# Altium PCB carboard.PcbDoc (part 3 of 4)
Units mil, origin at the board's own origin, x right, y up, seen from the top; angles counter-clockwise.
Board outline 5606.45 x 4133.26 mil, 2 copper layers (Top Layer, Bottom Layer); 227 components, 0 nets, 640 pads, 77 vias.
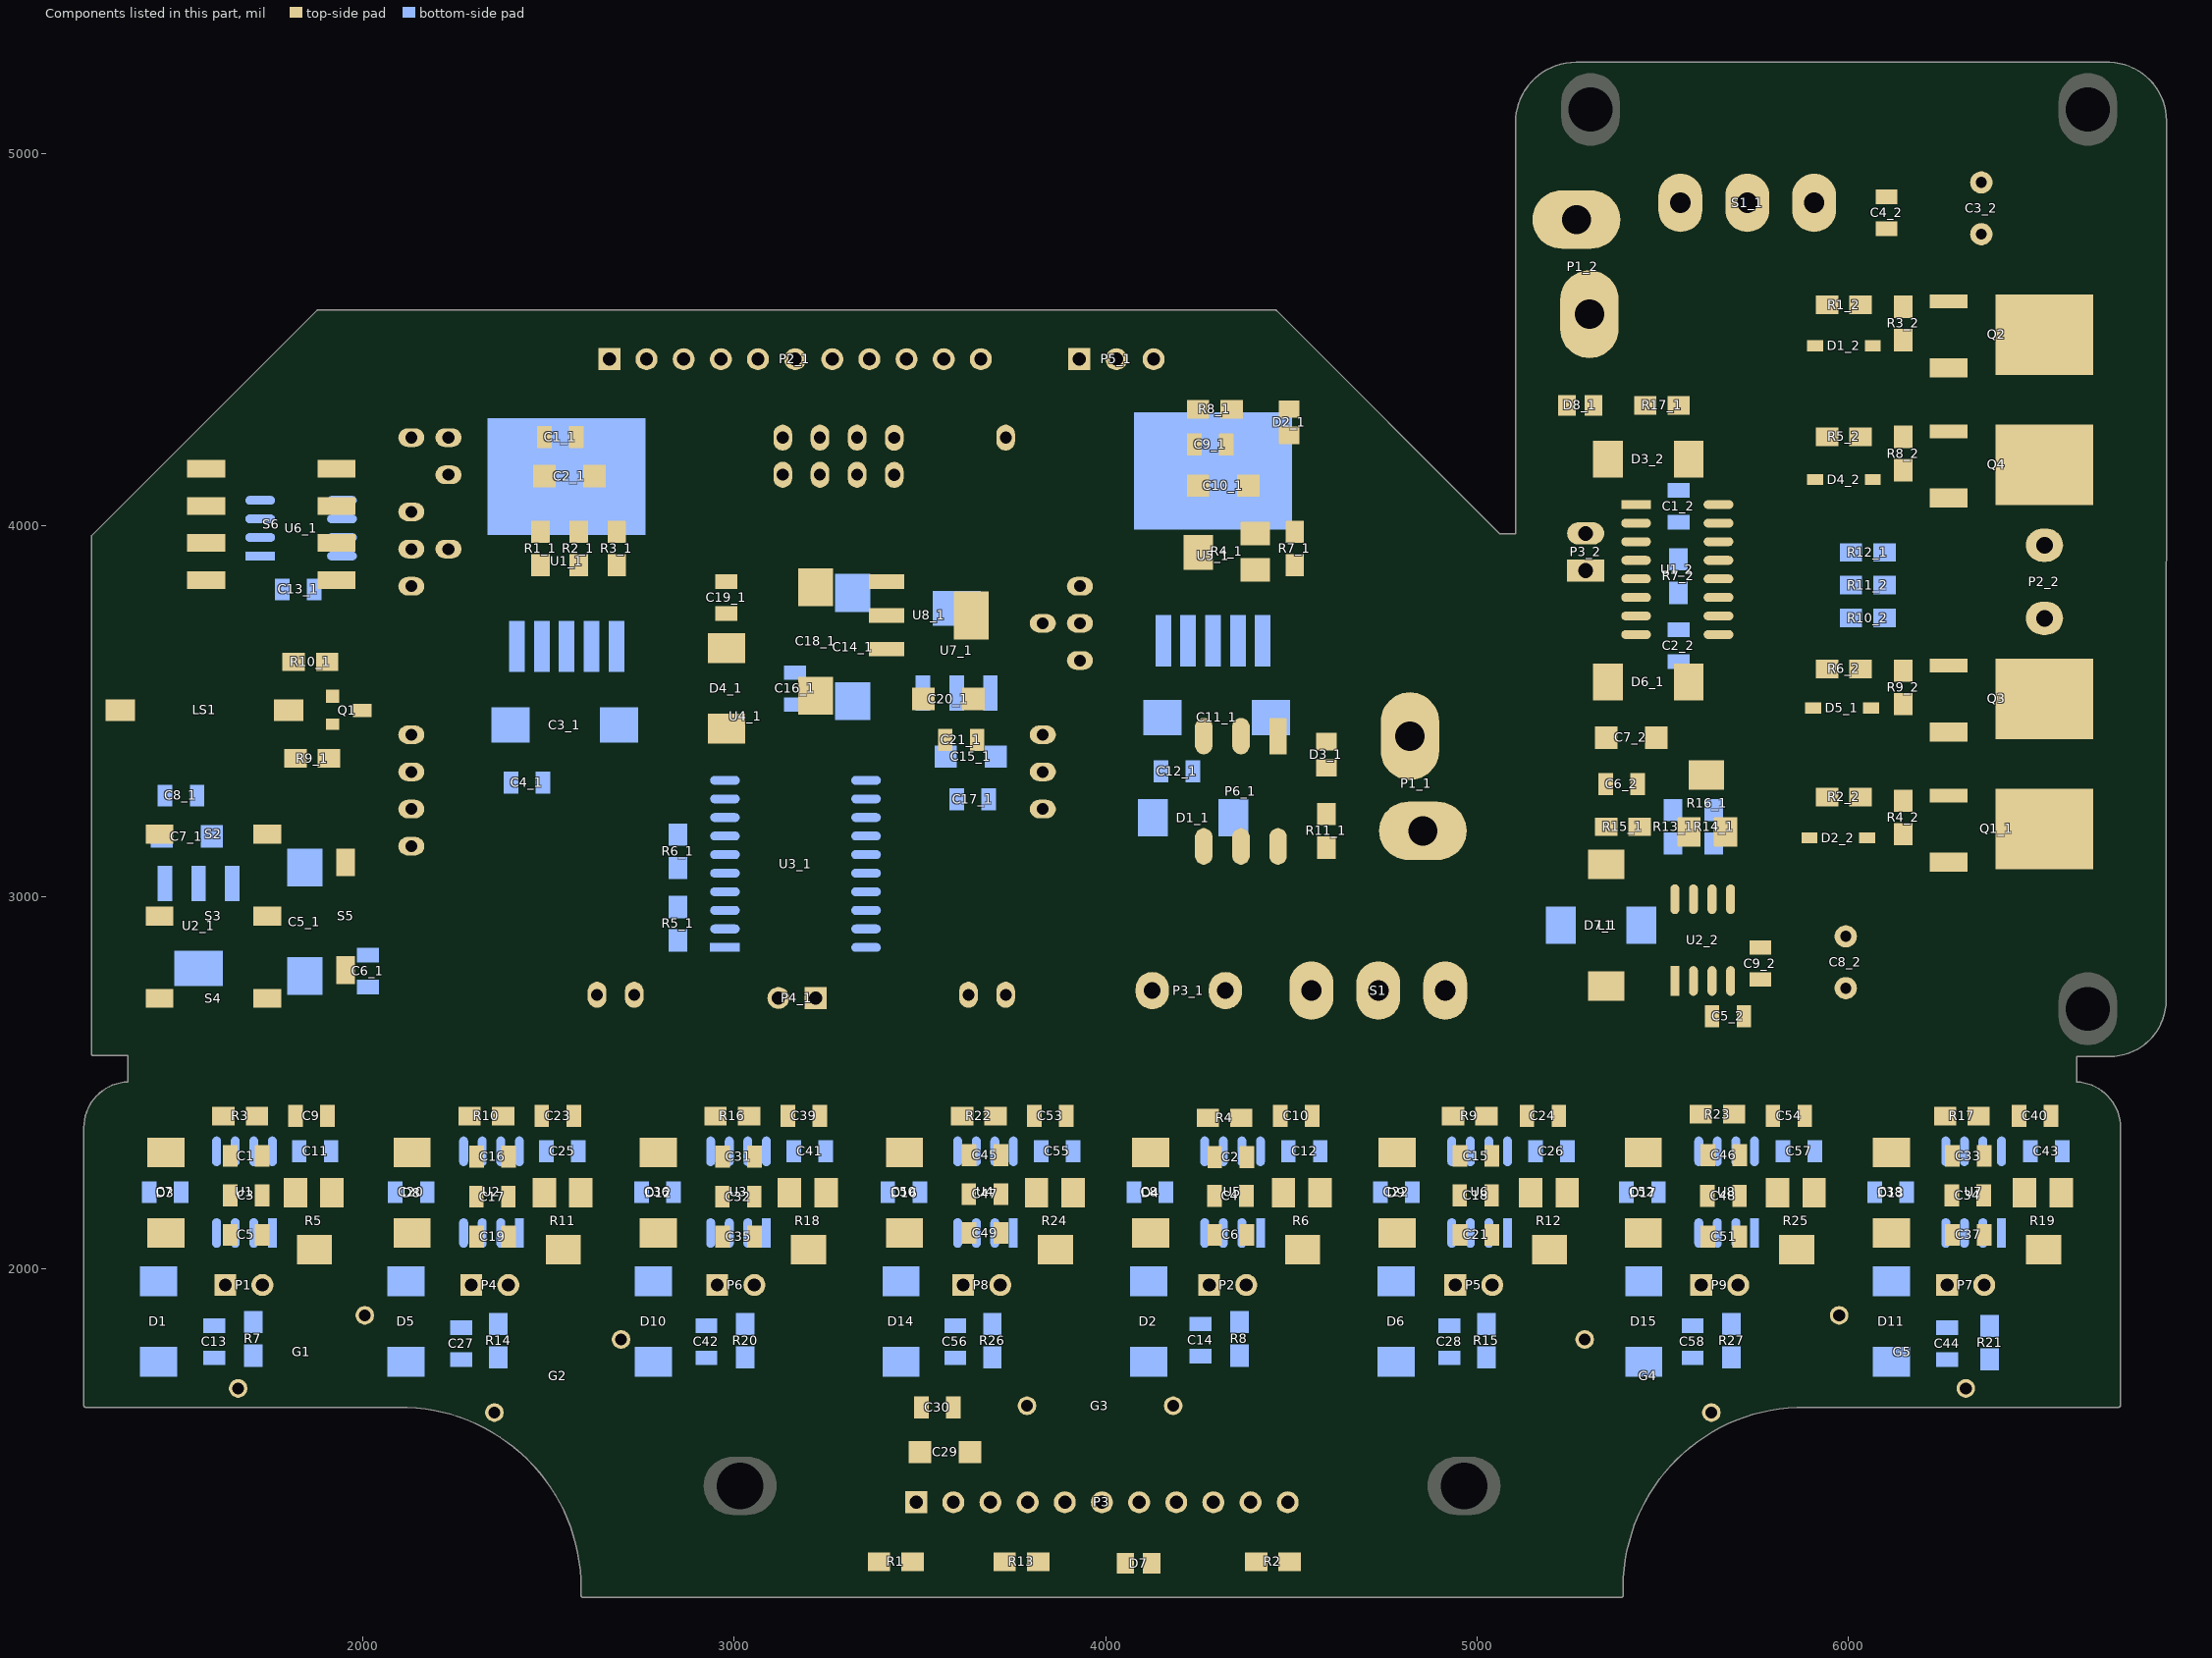
[diagram p3: the components of this part, seen from the top]

## Via types
v1: diameter 30, hole 20, Top Layer to Bottom Layer, 49 vias
v2: diameter 25, hole 18, Top Layer to Bottom Layer, 9 vias
v3: diameter 40, hole 30, Top Layer to Bottom Layer, 6 vias
v4: diameter 20, hole 15, Top Layer to Bottom Layer, 4 vias
v5: diameter 35, hole 20, Top Layer to Bottom Layer, 4 vias
v6: diameter 78.74, hole 39.37, Top Layer to Bottom Layer, 4 vias
v7: diameter 60, hole 30, Top Layer to Bottom Layer, 1 vias

## Nets (pads, with @x,y where several pads share a name; then routed paths per layer and width w, separated by ;. In a path a pad name is that pad's centre, name@x,y a point inside that pad or via, vN(x,y) a via of type N, cw(c..) or ccw(c..) an arc to the next point about the centre after c; other vN are vias at no path point) (continued)
copper on no net: (continued)
  Top Layer w1: 5292,1282 5325,1282 ; 5292,1283 5325,1283 ; 5292,1284 5325,1284 ; 5292,1285 5325,1285 ; 5292,1286 5325,1286 ; 5292,1287 5325,1287 ; 5292,1288 5326,1288 ; 5292,1289 5326,1289 ; 5292,1290 5326,1290 ; 5292,1291 5326,1291 ; 5292,1292 5326,1292 ; 5292,1293 5326,1293 ; 5292,1294 5326,1294 ; 5292,1295 5299,1295 ; 5292,1296 5299,1296 ; 5292,1297 5298,1297 ; 5292,1298 5297,1298 ; 5292,1299 5297,1299 ; 5292,1300 5296,1300 ; 5292,1301 5295,1301 ; 5292,1302 5294,1302 ; 5292,1303 5294,1303 ; 5292,1304 5293,1304 ; 5292,1305 5293,1305 ; 5292,1307 5293,1307 ; 5293,1225 5296,1225 ; 5293,1252 5309,1252 ; 5293,1253 5310,1253 ; 5293,1254 5311,1254 ; 5293,1255 5312,1255 ; 5293,1256 5312,1256 ; 5293,1257 5314,1257 ; 5293,1258 5314,1258 ; 5293,1259 5315,1259 ; 5293,1260 5316,1260 ; 5293,1261 5316,1261 ; 5293,1262 5317,1262 ; 5293,1263 5318,1263 ; 5293,1264 5318,1264 ; 5293,1265 5320,1265 ; 5293,1266 5319,1266 ; 5293,1267 5320,1267 ; 5293,1268 5320,1268 ; 5294,1213 5305,1213 ; 5294,1224 5296,1224 ; 5294,1226 5295,1226 ; 5294,1374 5305,1374 ; 5296,1214 5307,1214 ; 5296,1373 5307,1373 ; 5299,1215 5309,1215 ; 5299,1317 5321,1317 ; 5299,1318 5321,1318 ; 5299,1319 5320,1319 ; 5299,1320 5320,1320 ; 5299,1321 5319,1321 ; 5299,1322 5319,1322 ; 5299,1323 5318,1323 ; 5299,1324 5318,1324 ; 5299,1325 5317,1325 ; 5299,1326 5316,1326 ; 5299,1327 5316,1327 ; 5299,1328 5315,1328 ; 5299,1329 5314,1329 ; 5299,1330 5313,1330 ; 5299,1331 5312,1331 ; 5299,1332 5312,1332 ; 5299,1333 5311,1333 ; 5299,1334 5310,1334 ; 5299,1372 5309,1372 ; 5300,1295 5326,1295 ; 5300,1296 5326,1296 ; 5300,1297 5326,1297 ; 5300,1298 5326,1298 ; 5300,1299 5326,1299 ; 5300,1300 5327,1300 ; 5300,1301 5325,1301 ; 5300,1302 5325,1302 ; 5300,1303 5325,1303 ; 5300,1304 5325,1304 ; 5300,1305 5325,1305 ; 5300,1306 5325,1306 ; 5300,1307 5325,1307 ; 5300,1308 5324,1308 ; 5300,1309 5324,1309 ; 5300,1310 5323,1310 ; 5300,1311 5324,1311 ; 5300,1312 5323,1312 ; 5300,1313 5323,1313 ; 5300,1314 5323,1314 ; 5300,1315 5322,1315 ; 5300,1316 5322,1316 ; 5301,1216 5310,1216 ; 5301,1230 5303,1230 ; 5301,1231 5302,1231 ; 5301,1232 5302,1232 ; 5301,1371 5310,1371 ; 5302,1229 5303,1229 ; 5303,1228 5306,1228 ; 5304,1217 5313,1217 ; 5304,1233 5306,1233 ; 5304,1234 5305,1234 ; 5304,1370 5312,1370 ; 5305,1218 5314,1218 ; 5305,1231 5307,1231 ; 5305,1232 5307,1232 ; 5305,1369 5314,1369 ; 5306,1229 5307,1229 ; 5306,1230 5307,1230 ; 5307,1236 5311,1236 ; 5308,1219 5316,1219 ; 5308,1235 5309,1235 ; 5308,1250 5309,1250 ; 5308,1368 5316,1368 ; 5309,1220 5317,1220 ; 5309,1233 5311,1233 ; 5309,1234 5310,1234 ; 5309,1367 5317,1367 ; 5310,1221 5318,1221 ; 5310,1232 5311,1232 ; 5310,1235 5312,1235 ; 5310,1366 5318,1366 ; 5311,1238 5312,1238 ; 5311,1239 5312,1239 ; 5311,1346 5314,1346 ; 5311,1347 5319,1347 ; 5312,1222 5320,1222 ; 5312,1236 5314,1236 ; 5312,1237 5313,1237 ; 5312,1349 5314,1349 ; 5312,1350 5313,1350 ; 5312,1365 5320,1365 ; 5313,1234 5314,1234 ; 5313,1235 5315,1235 ; 5313,1256 5314,1256 ; 5314,1223 5321,1223 ; 5314,1241 5316,1241 ; 5314,1242 5315,1242 ; 5314,1342 5315,1342 ; 5314,1343 5315,1343 ; 5314,1344 5315,1344 ; 5314,1348 5317,1348 ; 5314,1364 5321,1364 ; 5315,1224 5323,1224 ; 5315,1240 5316,1240 ; 5316,1239 5317,1239 ; 5316,1349 5317,1349 ; 5316,1362 5323,1362 ; 5316,1363 5322,1363 ; 5317,1225 5323,1225 ; 5317,1238 5319,1238 ; 5317,1244 5319,1244 ; 5317,1346 5319,1346 ; 5317,1350 5319,1350 ; 5318,1243 5321,1243 ; 5318,1351 5319,1351 ; 5318,1361 5325,1361 ; 5319,1226 5325,1226 ; 5319,1227 5325,1227 ; 5319,1247 5321,1247 ; 5319,1360 5326,1360 ; 5320,1242 5323,1242 ; 5320,1246 5321,1246 ; 5321,1228 5328,1228 ; 5321,1244 5322,1244 ; 5321,1245 5322,1245 ; 5321,1359 5327,1359 ; 5322,1229 5328,1229 ; 5322,1243 5323,1243 ; 5322,1250 5323,1250 ; 5322,1358 5328,1358 ; 5323,1230 5329,1230 ; 5323,1249 5325,1249 ; 5323,1251 5324,1251 ; 5323,1357 5330,1357 ; 5324,1231 5330,1231 ; 5324,1248 5326,1248 ; 5324,1252 5325,1252 ; 5324,1356 5330,1356 ; 5325,1232 5331,1232 ; 5325,1247 5327,1247 ; 5325,1250 5326,1250 ; 5325,1355 5331,1355 ; 5326,1233 5332,1233 ; 5326,1246 5327,1246 ; 5326,1255 5328,1255 ; 5326,1256 5327,1256 ; 5326,1321 5327,1321 ; 5326,1354 5332,1354 ; 5327,1234 5333,1234 ; 5327,1248 5328,1248 ; 5327,1254 5330,1254 ; 5327,1257 5328,1257 ; 5327,1320 5332,1320 ; 5327,1353 5333,1353 ; 5328,1235 5334,1235 ; 5328,1249 5329,1249 ; 5328,1258 5330,1258 ; 5328,1319 5329,1319 ; 5328,1322 5331,1322 ; 5328,1323 5329,1323 ; 5328,1327 5331,1327 ; 5328,1352 5334,1352 ; 5329,1236 5335,1236 ; 5329,1253 5332,1253 ; 5329,1255 5330,1255 ; 5329,1256 5333,1256 ; 5329,1257 5330,1257 ; 5329,1321 5332,1321 ; 5329,1328 5331,1328 ; 5329,1351 5334,1351 ; 5330,1237 5336,1237 ; 5330,1252 5331,1252 ; 5330,1261 5333,1261 ; 5330,1262 5331,1262 ; 5330,1263 5331,1263 ; 5330,1324 5333,1324 ; 5330,1350 5336,1350 ; 5331,1238 5336,1238 ; 5331,1264 5333,1264 ; 5331,1349 5336,1349 ; 5332,1239 5337,1239 ; 5332,1240 5338,1240 ; 5332,1255 5333,1255 ; 5332,1262 5334,1262 ; 5332,1268 5335,1268 ; 5332,1319 5333,1319 ; 5332,1322 5337,1322 ; 5332,1323 5337,1323 ; 5332,1326 5341,1326 ; 5332,1327 5333,1327 ; 5332,1328 5334,1328 ; 5332,1347 5338,1347 ; 5332,1348 5337,1348 ; 5333,1263 5336,1263 ; 5333,1325 5339,1325 ; 5333,1346 5339,1346 ; 5334,1241 5339,1241 ; 5334,1242 5339,1242 ; 5334,1259 5335,1259 ; 5334,1260 5336,1260 ; 5334,1271 5335,1271 ; 5334,1272 5335,1272 ; 5334,1273 5339,1273 ; 5334,1324 5340,1324 ; 5334,1327 5340,1327 ; 5334,1329 5338,1329 ; 5334,1344 5340,1344 ; 5334,1345 5339,1345 ; 5335,1243 5340,1243 ; 5335,1261 5336,1261 ; 5335,1262 5336,1262 ; 5335,1267 5339,1267 ; 5335,1274 5336,1274 ; 5335,1275 5336,1275 ; 5335,1321 5338,1321 ; 5335,1328 5337,1328 ; 5336,1244 5341,1244 ; 5336,1245 5341,1245 ; 5336,1272 5341,1272 ; 5336,1279 5342,1279 ; 5336,1282 5338,1282 ; 5336,1320 5337,1320 ; 5336,1342 5341,1342 ; 5336,1343 5341,1343 ; 5337,1246 5342,1246 ; 5337,1266 5338,1266 ; 5337,1281 5339,1281 ; 5337,1341 5342,1341 ; 5338,1247 5343,1247 ; 5338,1340 5343,1340 ; 5339,1248 5343,1248 ; 5339,1249 5344,1249 ; 5339,1280 5342,1280 ; 5339,1328 5340,1328 ; 5339,1338 5344,1338 ; 5339,1339 5343,1339 ; 5340,1250 5345,1250 ; 5340,1251 5345,1251 ; 5340,1325 5341,1325 ; 5340,1336 5345,1336 ; 5340,1337 5345,1337 ; 5341,1252 5345,1252 ; 5341,1253 5346,1253 ; 5341,1334 5346,1334 ; 5341,1335 5345,1335 ; 5342,1254 5347,1254 ; 5342,1255 5347,1255 ; 5342,1332 5347,1332 ; 5342,1333 5346,1333 ; 5343,1256 5348,1256 ; 5343,1257 5348,1257 ; 5343,1330 5348,1330 ; 5343,1331 5348,1331 ; 5344,1258 5348,1258 ; 5344,1259 5349,1259 ; 5344,1328 5349,1328 ; 5344,1329 5348,1329 ; 5345,1260 5349,1260 ; 5345,1261 5350,1261 ; 5345,1262 5350,1262 ; 5345,1325 5350,1325 ; 5345,1326 5350,1326 ; 5345,1327 5349,1327 ; 5346,1263 5350,1263 ; 5346,1264 5351,1264 ; 5346,1323 5351,1323 ; 5346,1324 5350,1324 ; 5347,1265 5351,1265 ; 5347,1266 5352,1266 ; 5347,1320 5352,1320 ; 5347,1321 5352,1321 ; 5347,1322 5351,1322 ; 5348,1267 5352,1267 ; 5348,1268 5352,1268 ; 5348,1269 5352,1269 ; 5348,1270 5353,1270 ; 5348,1271 5353,1271 ; 5348,1317 5353,1317 ; 5348,1318 5352,1318 ; 5348,1319 5352,1319 ; 5349,1272 5353,1272 ; 5349,1273 5353,1273 ; 5349,1274 5354,1274 ; 5349,1314 5354,1314 ; 5349,1315 5353,1315 ; 5349,1316 5353,1316 ; 5350,1275 5354,1275 ; 5350,1276 5354,1276 ; 5350,1277 5354,1277 ; 5350,1278 5354,1278 ; 5350,1279 5355,1279 ; 5350,1280 5355,1280 ; 5350,1307 5355,1307 ; 5350,1308 5355,1308 ; 5350,1309 5354,1309 ; 5350,1310 5354,1310 ; 5350,1311 5354,1311 ; 5350,1312 5354,1312 ; 5350,1313 5354,1313 ; 5351,1281 5355,1281 ; 5351,1282 5355,1282 ; 5351,1283 5355,1283 ; 5351,1284 5355,1284 ; 5351,1285 5356,1285 ; 5351,1286 5356,1286 ; 5351,1287 5356,1287 ; 5351,1288 5356,1288 ; 5351,1298 5356,1298 ; 5351,1300 5356,1300 ; 5351,1301 5356,1301 ; 5351,1302 5356,1302 ; 5351,1303 5355,1303 ; 5351,1304 5355,1304 ; 5351,1305 5355,1305 ; 5351,1306 5355,1306 ; 5352,1289 5356,1289 ; 5352,1290 5356,1290 ; 5352,1291 5356,1291 ; 5352,1292 5356,1292 ; 5352,1293 5356,1293 ; 5352,1294 5356,1294 ; 5352,1295 5356,1295 ; 5352,1296 5356,1296 ; 5352,1297 5356,1297 ; 5352,1299 5356,1299 ; 5434.28,5116.7 5439.28,5116.7 ; 5434.28,5117.7 5439.28,5117.7 ; 5434.28,5118.7 5438.28,5118.7 ; 5434.28,5119.7 5438.28,5119.7 ; 5434.28,5120.7 5438.28,5120.7 ; 5434.28,5121.7 5438.28,5121.7 ; 5434.28,5122.7 5438.28,5122.7 ; 5434.28,5123.7 5438.28,5123.7 ; 5434.28,5124.7 5438.28,5124.7 ; 5434.28,5125.7 5438.28,5125.7 ; 5434.28,5126.7 5438.28,5126.7 ; 5434.28,5127.7 5438.28,5127.7 ; 5434.28,5128.7 5438.28,5128.7 ; 5434.28,5129.7 5438.28,5129.7 ; 5434.28,5130.7 5438.28,5130.7 ; 5434.28,5131.7 5438.28,5131.7 ; 5434.28,5132.7 5438.28,5132.7 ; 5434.28,5133.7 5438.28,5133.7 ; 5434.28,5134.7 5438.28,5134.7 ; 5434.28,5135.7 5438.28,5135.7 ; 5434.28,5136.7 5439.28,5136.7 ; 5434.28,5137.7 5439.28,5137.7 ; 5435.28,5111.7 5440.28,5111.7 ; 5435.28,5112.7 5439.28,5112.7 ; 5435.28,5113.7 5439.28,5113.7 ; 5435.28,5114.7 5439.28,5114.7 ; 5435.28,5115.7 5439.28,5115.7 ; 5435.28,5138.7 5439.28,5138.7 ; 5435.28,5139.7 5439.28,5139.7 ; 5435.28,5140.7 5439.28,5140.7 ; 5435.28,5141.7 5439.28,5141.7 ; 5435.28,5142.7 5440.28,5142.7 ; 5436.28,5105.7 5441.28,5105.7 ; 5436.28,5106.7 5441.28,5106.7 ; 5436.28,5107.7 5440.28,5107.7 ; 5436.28,5108.7 5440.28,5108.7 ; 5436.28,5109.7 5440.28,5109.7 ; 5436.28,5110.7 5440.28,5110.7 ; 5436.28,5143.7 5440.28,5143.7 ; 5436.28,5144.7 5440.28,5144.7 ; 5436.28,5145.7 5440.28,5145.7 ; 5436.28,5146.7 5440.28,5146.7 ; 5436.28,5147.7 5441.28,5147.7 ; 5436.28,5148.7 5441.28,5148.7 ; 5437.28,5102.7 5442.28,5102.7 ; 5437.28,5103.7 5441.28,5103.7 ; 5437.28,5104.7 5441.28,5104.7 ; 5437.28,5149.7 5441.28,5149.7 ; 5437.28,5150.7 5441.28,5150.7 ; 5437.28,5151.7 5442.28,5151.7 ; 5438.28,5098.7 5443.28,5098.7 ; 5438.28,5099.7 5443.28,5099.7 ; 5438.28,5100.7 5442.28,5100.7 ; 5438.28,5101.7 5442.28,5101.7 ; 5438.28,5152.7 5442.28,5152.7 ; 5438.28,5153.7 5442.28,5153.7 ; 5438.28,5154.7 5442.28,5154.7 ; 5439.28,5096.7 5444.28,5096.7 ; 5439.28,5097.7 5443.28,5097.7 ; 5439.28,5155.7 5443.28,5155.7 ; 5439.28,5156.7 5443.28,5156.7 ; 5439.28,5157.7 5444.28,5157.7 ; 5440.28,5093.7 5445.28,5093.7 ; 5440.28,5094.7 5445.28,5094.7 ; 5440.28,5095.7 5444.28,5095.7 ; 5440.28,5158.7 5444.28,5158.7 ; 5440.28,5159.7 5445.28,5159.7 ; 5440.28,5160.7 5445.28,5160.7 ; 5441.28,5091.7 5446.28,5091.7 ; 5441.28,5092.7 5445.28,5092.7 ; 5441.28,5161.7 5445.28,5161.7 ; 5441.28,5162.7 5446.28,5162.7 ; 5442.28,5088.7 5447.28,5088.7 ; 5442.28,5089.7 5447.28,5089.7 ; 5442.28,5090.7 5447.28,5090.7 ; 5442.28,5163.7 5447.28,5163.7 ; 5442.28,5164.7 5447.28,5164.7 ; 5442.28,5165.7 5447.28,5165.7 ; 5443.28,5087.7 5448.28,5087.7 ; 5443.28,5166.7 5448.28,5166.7 ; 5444.28,5085.7 5449.28,5085.7 ; 5444.28,5086.7 5449.28,5086.7 ; 5444.28,5167.7 5449.28,5167.7 ; 5444.28,5168.7 5449.28,5168.7 ; 5445.28,5083.7 5450.28,5083.7 ; 5445.28,5084.7 5450.28,5084.7 ; 5445.28,5169.7 5449.28,5169.7 ; 5445.28,5170.7 5450.28,5170.7 ; 5446.28,5082.7 5451.28,5082.7 ; 5446.28,5171.7 5451.28,5171.7 ; 5446.28,5172.7 5451.28,5172.7 ; 5447.28,5080.7 5452.28,5080.7 ; 5447.28,5081.7 5451.28,5081.7 ; 5447.28,5112.7 5449.28,5112.7 ; 5447.28,5113.7 5453.28,5113.7 ; 5447.28,5173.7 5452.28,5173.7 ; 5448.28,5078.7 5453.28,5078.7 ; 5448.28,5079.7 5453.28,5079.7 ; 5448.28,5108.7 5451.28,5108.7 ; 5448.28,5109.7 5450.28,5109.7 ; 5448.28,5174.7 5453.28,5174.7 ; 5449.28,5077.7 5454.28,5077.7 ; 5449.28,5104.7 5456.28,5104.7 ; 5449.28,5110.7 5451.28,5110.7 ; 5449.28,5175.7 5453.28,5175.7 ; 5449.28,5176.7 5454.28,5176.7 ; 5450.28,5075.7 5456.28,5075.7 ; 5450.28,5076.7 5455.28,5076.7 ; 5450.28,5111.7 5451.28,5111.7 ; 5450.28,5177.7 5455.28,5177.7 ; 5450.28,5178.7 5456.28,5178.7 ; 5451.28,5074.7 5456.28,5074.7 ; 5451.28,5100.7 5452.28,5100.7 ; 5451.28,5101.7 5453.28,5101.7 ; 5451.28,5102.7 5455.28,5102.7 ; 5451.28,5103.7 5452.28,5103.7 ; 5451.28,5109.7 5454.28,5109.7 ; 5451.28,5112.7 5453.28,5112.7 ; 5451.28,5163.7 5454.28,5163.7 ; 5451.28,5179.7 5456.28,5179.7 ; 5452.28,5072.7 5458.28,5072.7 ; 5452.28,5073.7 5457.28,5073.7 ; 5452.28,5096.7 5454.28,5096.7 ; 5452.28,5180.7 5457.28,5180.7 ; 5453.28,5071.7 5459.28,5071.7 ; 5453.28,5097.7 5456.28,5097.7 ; 5453.28,5155.7 5454.28,5155.7 ; 5453.28,5156.7 5454.28,5156.7 ; 5453.28,5157.7 5455.28,5157.7 ; 5453.28,5158.7 5455.28,5158.7 ; 5453.28,5162.7 5457.28,5162.7 ; 5453.28,5181.7 5458.28,5181.7 ; 5453.28,5182.7 5459.28,5182.7 ; 5454.28,5070.7 5460.28,5070.7 ; 5454.28,5092.7 5456.28,5092.7 ; 5454.28,5093.7 5457.28,5093.7 ; 5454.28,5103.7 5456.28,5103.7 ; 5454.28,5159.7 5455.28,5159.7 ; 5454.28,5160.7 5456.28,5160.7 ; 5454.28,5161.7 5456.28,5161.7 ; 5454.28,5183.7 5460.28,5183.7 ; 5455.28,5069.7 5461.28,5069.7 ; 5455.28,5094.7 5456.28,5094.7 ; 5455.28,5095.7 5456.28,5095.7 ; 5455.28,5184.7 5460.28,5184.7 ; 5456.28,5068.7 5462.28,5068.7 ; 5456.28,5096.7 5458.28,5096.7 ; 5456.28,5098.7 5458.28,5098.7 ; 5456.28,5158.7 5459.28,5158.7 ; 5456.28,5159.7 5461.28,5159.7 ; 5456.28,5163.7 5457.28,5163.7 ; 5456.28,5185.7 5462.28,5185.7 ; 5457.28,5067.7 5463.28,5067.7 ; 5457.28,5087.7 5458.28,5087.7 ; 5457.28,5088.7 5458.28,5088.7 ; 5457.28,5089.7 5459.28,5089.7 ; 5457.28,5094.7 5460.28,5094.7 ; 5457.28,5097.7 5458.28,5097.7 ; 5457.28,5099.7 5458.28,5099.7 ; 5457.28,5155.7 5458.28,5155.7 ; 5457.28,5156.7 5464.28,5156.7 ; 5457.28,5157.7 5459.28,5157.7 ; 5457.28,5186.7 5463.28,5186.7 ; 5458.28,5066.7 5464.28,5066.7 ; 5458.28,5086.7 5460.28,5086.7 ; 5458.28,5090.7 5463.28,5090.7 ; 5458.28,5153.7 5460.28,5153.7 ; 5458.28,5154.7 5461.28,5154.7 ; 5458.28,5160.7 5461.28,5160.7 ; 5458.28,5161.7 5461.28,5161.7 ; 5458.28,5187.7 5464.28,5187.7 ; 5459.28,5065.7 5465.28,5065.7 ; 5459.28,5095.7 5460.28,5095.7 ; 5459.28,5152.7 5460.28,5152.7 ; 5459.28,5188.7 5465.28,5188.7 ; 5459.28,5189.7 5466.28,5189.7 ; 5460.28,5063.7 5467.28,5063.7 ; 5460.28,5064.7 5466.28,5064.7 ; 5460.28,5091.7 5462.28,5091.7 ; 5460.28,5155.7 5464.28,5155.7 ; 5460.28,5157.7 5462.28,5157.7 ; 5460.28,5158.7 5462.28,5158.7 ; 5460.28,5162.7 5462.28,5162.7 ; 5460.28,5190.7 5467.28,5190.7 ; 5461.28,5082.7 5462.28,5082.7 ; 5461.28,5163.7 5462.28,5163.7 ; 5462.28,5061.7 5469.28,5061.7 ; 5462.28,5062.7 5468.28,5062.7 ; 5462.28,5083.7 5465.28,5083.7 ; 5462.28,5087.7 5463.28,5087.7 ; 5462.28,5088.7 5463.28,5088.7 ; 5462.28,5089.7 5463.28,5089.7 ; 5462.28,5164.7 5465.28,5164.7 ; 5462.28,5191.7 5468.28,5191.7 ; 5462.28,5192.7 5469.28,5192.7 ; 5463.28,5079.7 5465.28,5079.7 ; 5463.28,5084.7 5465.28,5084.7 ; 5463.28,5159.7 5465.28,5159.7 ; 5463.28,5160.7 5465.28,5160.7 ; 5463.28,5163.7 5465.28,5163.7 ; 5464.28,5060.7 5470.28,5060.7 ; 5464.28,5080.7 5465.28,5080.7 ; 5464.28,5082.7 5465.28,5082.7 ; 5464.28,5114.7 5476.28,5114.7 ; 5464.28,5118.7 5484.28,5118.7 ; 5464.28,5119.7 5485.28,5119.7 ; 5464.28,5120.7 5488.28,5120.7 ; 5464.28,5121.7 5489.28,5121.7 ; 5464.28,5122.7 5491.28,5122.7 ; 5464.28,5123.7 5493.28,5123.7 ; 5464.28,5124.7 5495.28,5124.7 ; 5464.28,5125.7 5498.28,5125.7 ; 5464.28,5126.7 5499.28,5126.7 ; 5464.28,5127.7 5501.28,5127.7 ; 5464.28,5128.7 5503.28,5128.7 ; 5464.28,5129.7 5506.28,5129.7 ; 5464.28,5130.7 5507.28,5130.7 ; 5464.28,5131.7 5509.28,5131.7 ; 5464.28,5132.7 5511.28,5132.7 ; 5464.28,5133.7 5513.28,5133.7 ; 5464.28,5134.7 5515.28,5134.7 ; 5464.28,5135.7 5517.28,5135.7 ; 5464.28,5161.7 5465.28,5161.7 ; 5464.28,5162.7 5465.28,5162.7 ; 5464.28,5193.7 5471.28,5193.7 ; 5465.28,5059.7 5471.28,5059.7 ; 5465.28,5081.7 5467.28,5081.7 ; 5465.28,5085.7 5466.28,5085.7 ; 5465.28,5112.7 5525.28,5112.7 ; 5465.28,5113.7 5473.28,5113.7 ; 5465.28,5115.7 5478.28,5115.7 ; 5465.28,5116.7 5480.28,5116.7 ; 5465.28,5117.7 5481.28,5117.7 ; 5465.28,5136.7 5514.28,5136.7 ; 5465.28,5137.7 5513.28,5137.7 ; 5465.28,5138.7 5511.28,5138.7 ; 5465.28,5139.7 5509.28,5139.7 ; 5465.28,5140.7 5478.28,5140.7 ; 5465.28,5141.7 5479.28,5141.7 ; 5465.28,5194.7 5471.28,5194.7 ; 5466.28,5058.7 5473.28,5058.7 ; 5466.28,5076.7 5469.28,5076.7 ; 5466.28,5082.7 5468.28,5082.7 ; 5466.28,5109.7 5530.28,5109.7 ; 5466.28,5110.7 5529.28,5110.7 ; 5466.28,5111.7 5528.28,5111.7 ; 5466.28,5142.7 5482.28,5142.7 ; 5466.28,5143.7 5483.28,5143.7 ; 5466.28,5144.7 5485.28,5144.7 ; 5466.28,5145.7 5487.28,5145.7 ; 5466.28,5195.7 5473.28,5195.7 ; 5467.28,5057.7 5474.28,5057.7 ; 5467.28,5106.7 5534.28,5106.7 ; 5467.28,5107.7 5533.28,5107.7 ; 5467.28,5108.7 5532.28,5108.7 ; 5467.28,5146.7 5489.28,5146.7 ; 5467.28,5147.7 5491.28,5147.7 ; 5467.28,5148.7 5493.28,5148.7 ; 5467.28,5150.7 5468.28,5150.7 ; 5467.28,5196.7 5474.28,5196.7 ; 5468.28,5075.7 5471.28,5075.7 ; 5468.28,5077.7 5472.28,5077.7 ; 5468.28,5104.7 5536.28,5104.7 ; 5468.28,5105.7 5535.28,5105.7 ; 5468.28,5149.7 5495.28,5149.7 ; 5469.28,5056.7 5476.28,5056.7 ; 5469.28,5072.7 5470.28,5072.7 ; 5469.28,5073.7 5470.28,5073.7 ; 5469.28,5074.7 5471.28,5074.7 ; 5469.28,5101.7 5539.28,5101.7 ; 5469.28,5102.7 5538.28,5102.7 ; 5469.28,5103.7 5537.28,5103.7 ; 5469.28,5150.7 5497.28,5150.7 ; 5469.28,5151.7 5499.28,5151.7 ; 5469.28,5152.7 5501.28,5152.7 ; 5469.28,5154.7 5470.28,5154.7 ; 5469.28,5197.7 5476.28,5197.7 ; 5470.28,5055.7 5477.28,5055.7 ; 5470.28,5078.7 5472.28,5078.7 ; 5470.28,5100.7 5540.28,5100.7 ; 5470.28,5153.7 5503.28,5153.7 ; 5470.28,5198.7 5477.28,5198.7 ; 5471.28,5054.7 5479.28,5054.7 ; 5471.28,5076.7 5472.28,5076.7 ; 5471.28,5098.7 5541.28,5098.7 ; 5471.28,5099.7 5540.28,5099.7 ; 5471.28,5154.7 5505.28,5154.7 ; 5471.28,5155.7 5507.28,5155.7 ; 5471.28,5156.7 5509.28,5156.7 ; 5471.28,5199.7 5480.28,5199.7 ; 5472.28,5070.7 5473.28,5070.7 ; 5472.28,5096.7 5542.28,5096.7 ; 5472.28,5097.7 5542.28,5097.7 ; 5472.28,5157.7 5510.28,5157.7 ; 5472.28,5183.7 5474.28,5183.7 ; 5472.28,5186.7 5476.28,5186.7 ; 5473.28,5053.7 5480.28,5053.7 ; 5473.28,5071.7 5474.28,5071.7 ; 5473.28,5094.7 5544.28,5094.7 ; 5473.28,5095.7 5543.28,5095.7 ; 5473.28,5158.7 5513.28,5158.7 ; 5473.28,5159.7 5514.28,5159.7 ; 5473.28,5182.7 5474.28,5182.7 ; 5473.28,5184.7 5476.28,5184.7 ; 5473.28,5187.7 5475.28,5187.7 ; 5473.28,5200.7 5480.28,5200.7 ; 5474.28,5052.7 5482.28,5052.7 ; 5474.28,5072.7 5477.28,5072.7 ; 5474.28,5073.7 5477.28,5073.7 ; 5474.28,5093.7 5545.28,5093.7 ; 5474.28,5160.7 5517.28,5160.7 ; 5474.28,5181.7 5478.28,5181.7 ; 5474.28,5185.7 5476.28,5185.7 ; 5474.28,5201.7 5482.28,5201.7 ; 5475.28,5067.7 5477.28,5067.7 ; 5475.28,5068.7 5478.28,5068.7 ; 5475.28,5069.7 5476.28,5069.7 ; 5475.28,5092.7 5545.28,5092.7 ; 5475.28,5113.7 5524.28,5113.7 ; 5475.28,5161.7 5518.28,5161.7 ; 5475.28,5180.7 5478.28,5180.7 ; 5475.28,5182.7 5477.28,5182.7 ; 5475.28,5183.7 5476.28,5183.7 ; 5476.28,5051.7 5485.28,5051.7 ; 5476.28,5071.7 5477.28,5071.7 ; 5476.28,5090.7 5547.28,5090.7 ; 5476.28,5091.7 5546.28,5091.7 ; 5476.28,5162.7 5521.28,5162.7 ; 5476.28,5163.7 5522.28,5163.7 ; 5476.28,5177.7 5480.28,5177.7 ; 5476.28,5178.7 5478.28,5178.7 ; 5476.28,5179.7 5477.28,5179.7 ; 5476.28,5202.7 5484.28,5202.7 ; 5477.28,5050.7 5486.28,5050.7 ; 5477.28,5069.7 5478.28,5069.7 ; 5477.28,5089.7 5547.28,5089.7 ; 5477.28,5164.7 5525.28,5164.7 ; 5477.28,5203.7 5486.28,5203.7 ; 5478.28,5070.7 5479.28,5070.7 ; 5478.28,5088.7 5547.28,5088.7 ; 5478.28,5165.7 5527.28,5165.7 ; 5478.28,5179.7 5481.28,5179.7 ; 5478.28,5182.7 5481.28,5182.7 ; 5479.28,5049.7 5489.28,5049.7 ; 5479.28,5071.7 5480.28,5071.7 ; 5479.28,5087.7 5548.28,5087.7 ; 5479.28,5114.7 5521.28,5114.7 ; 5479.28,5166.7 5552.28,5166.7 ; 5479.28,5178.7 5480.28,5178.7 ; 5479.28,5180.7 5481.28,5180.7 ; 5479.28,5181.7 5481.28,5181.7 ; 5479.28,5204.7 5489.28,5204.7 ; 5480.28,5048.7 5490.28,5048.7 ; 5480.28,5064.7 5481.28,5064.7 ; 5480.28,5065.7 5481.28,5065.7 ; 5480.28,5066.7 5481.28,5066.7 ; 5480.28,5067.7 5482.28,5067.7 ; 5480.28,5085.7 5513.28,5085.7 ; 5480.28,5086.7 5549.28,5086.7 ; 5480.28,5167.7 5554.28,5167.7 ; 5480.28,5168.7 5566.28,5168.7 ; 5480.28,5205.7 5490.28,5205.7 ; 5481.28,5063.7 5482.28,5063.7 ; 5481.28,5068.7 5485.28,5068.7 ; 5482.28,5062.7 5484.28,5062.7 ; 5482.28,5065.7 5484.28,5065.7 ; 5482.28,5083.7 5513.28,5083.7 ; 5482.28,5084.7 5512.28,5084.7 ; 5482.28,5115.7 5519.28,5115.7 ; 5482.28,5140.7 5505.28,5140.7 ; 5482.28,5169.7 5565.28,5169.7 ; 5482.28,5170.7 5564.28,5170.7 ; 5483.28,5047.7 5493.28,5047.7 ; 5483.28,5063.7 5485.28,5063.7 